# Altium PCB Thermostat_EEM.PCBDOC (part 9 of 10) (continued)
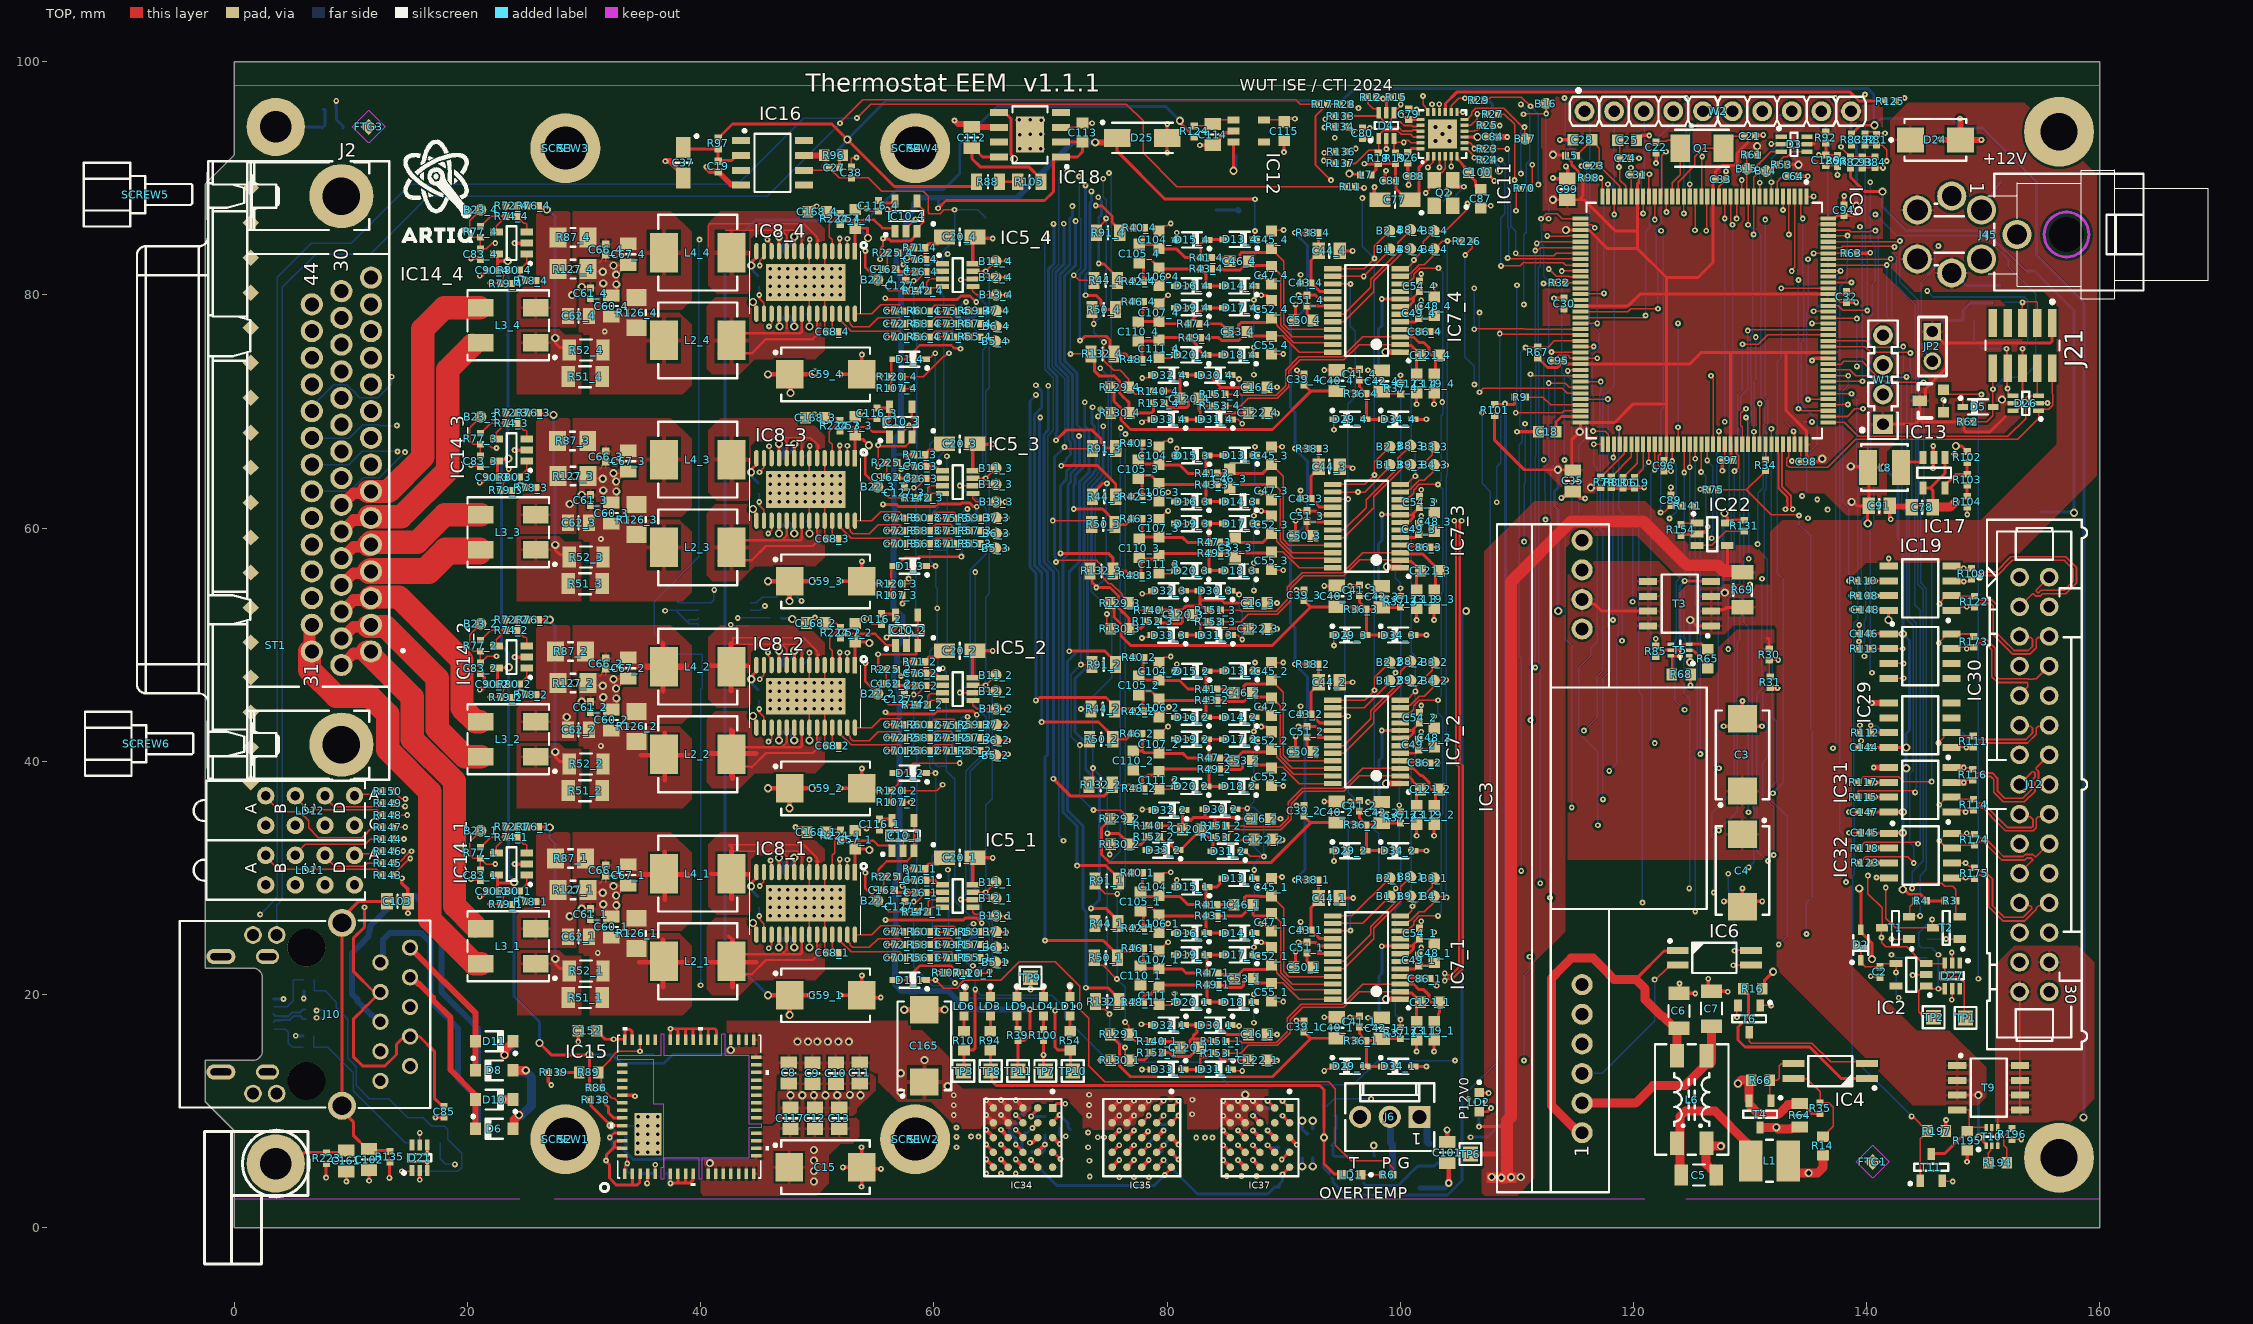
[diagram p0: TOP view]
## Nets (pads, with @x,y where several pads share a name; then routed paths per layer and width w, separated by ;. In a path a pad name is that pad's centre, name@x,y a point inside that pad or via, vN(x,y) a via of type N, cw(c..) or ccw(c..) an arc to the next point about the centre after c; other vN are vias at no path point) (continued)
  L2 w0.152: v1(139.686,70.239) 139.717,70.27 149.874,70.27 151.182,71.578 151.688,71.578 v1(152.09,71.98)
  BOT w0.152: R33.1@149.201,77.796 149.201,76.153 149.967,75.387 v1(152,75.387)
TDO: D26.6 IC9.133 J21.6 | length 27.9
  TOP w0.152: IC9.133@136.703,81.069 v1(138.7,81.069) ; D26.6@152.54,70.063 152.815,70.063 153.062,70.31 153.1,70.31 153.36,70.57 153.36,75.383 v1(153.364,75.387)
  L2 w0.152: v1(138.7,81.069) 143.028,81.069 143.747,80.35 v1(145.2,80.35)
  BOT w0.152: v1(145.2,80.35) 145.728,79.822 153.548,79.822 153.813,79.556 153.813,79.545 153.82,79.539 153.82,75.843 v1(153.364,75.387)
TEC0+: J2.31 J2.32 L3_1.4 | length 37.2
  TOP w1: J2.31@6.45,49.427 J2.32@6.45,51.717
  TOP w2: J2.31@6.45,49.427 6.45,47.868 8.733,45.586 11.619,45.586 13.152,44.052 13.152,41.021 16.769,37.404 16.769,26.471 20.59,22.65 L3_1.4@21.15,22.65
TEC0-: J2.1 J2.16 L3_1.3 | length 30.2
  TOP w1: J2.16@8.99,48.265 9.234,48.265 10.224,49.255 11.28,49.255 J2.1@11.4,49.375
  TOP w2: J2.1@11.4,49.375 15.279,45.496 15.279,41.902 18.896,38.285 18.896,27.604 L3_1.3@20.65,25.85
TEC1+: J2.2 J2.17 L3_2.4 | length 19.8
  TOP w1: J2.17@8.99,50.555 9.234,50.555 10.224,51.545 11.47,51.545 J2.2@11.5,51.575
  TOP w2: J2.2@11.5,51.575 12.95,51.575 17.406,47.119 17.406,42.783 19.789,40.4 L3_2.4@21.15,40.4
TEC1-: J2.3 J2.18 L3_2.3 | length 19.4
  TOP w1: J2.18@8.99,52.845 9.234,52.845 10.224,53.835 11.51,53.835 J2.3@11.65,53.975
  TOP w2: J2.3@11.65,53.975 11.773,54.098 14.102,54.098 19.533,48.667 19.533,44.572 20.704,43.4 L3_2.3@21.05,43.4
TEC2+: J2.4 J2.19 L3_3.4 | length 24.4
  TOP w1: J2.19@8.99,55.135 9.234,55.135 10.224,56.125 11.358,56.125 J2.4@11.53,56.297
  TOP w2: J2.4@11.53,56.297 11.693,56.46 16.368,56.46 18.108,58.2 L3_3.4@21.05,58.2 ; J2.4@11.55,56.225 16.7,56.225 18.375,57.9 ; 17.7,57.3 18.3,57.9 L3_3.4@21.05,57.9
TEC2-: J2.5 J2.20 L3_3.3 | length 13.7
  TOP w1: J2.20@8.99,57.425 9.234,57.425 10.224,58.415 11.358,58.415 J2.5@11.53,58.587
  TOP w2: J2.5@11.53,58.587 11.743,58.8 15.7,58.8 18.05,61.15 L3_3.3@21.15,61.15
TEC3+: J2.6 J2.21 L3_4.4 | length 23.1
  TOP w1: J2.21@8.99,59.715 9.234,59.715 10.224,60.705 11.28,60.705 J2.6@11.55,60.975
  TOP w2: J2.6@11.55,60.975 14.325,60.975 18.3,64.95 18.3,73.6 L3_4.4@20.4,75.7
TEC3-: J2.7 J2.22 L3_4.3 | length 25.5
  TOP w1: J2.22@8.99,62.005 9.234,62.005 10.224,62.995 11.345,62.995 J2.7@11.5,63.15
  TOP w2: J2.7@11.5,63.15 13.225,63.15 16.173,66.098 16.173,77.073 18,78.9 L3_4.3@21.05,78.9
TEC_U_meas0: B23_1.1 C83_1.2 IC9.29 R77_1.2 | length 162.2
  TOP w0.127: C83_1.2@21.111,30.695 R77_1.2@21.11,31.695 ; B23_1.1@21.127,34.06 20.194,33.127 20.194,31.98 20.479,31.695 R77_1.2@21.11,31.695 ; v1(22.385,31.195) 21.63,31.195 21.13,31.695 R77_1.2@21.11,31.695 ; IC9.29@120.828,88.444 120.828,86.998 v1(120.832,86.994)
  L2 w0.127: v1(22.385,31.195) 23.075,31.884 43.7,31.884 44.984,33.168 71.09,33.168 v1(71.115,33.194) ; v1(69.696,85.046) 78.608,85.046 80.344,86.783 111.691,86.783 112.028,87.12 116.435,87.12 116.661,87.346 120.48,87.346 v1(120.832,86.994)
  BOT w0.127: v1(69.696,85.046) 69.696,84.891 69.5,84.696 69.5,73.645 70.251,72.894 70.251,68.411 69.754,67.914 69.754,57.204 70.691,56.267 70.691,33.619 v1(71.115,33.194)
TEC_U_meas1: B23_2.1 C83_2.2 IC9.34 R77_2.2 | length 141.2
  TOP w0.127: C83_2.2@21.111,48.445 21.685,49.019 v1(22.485,49.019) ; C83_2.2@21.111,48.445 R77_2.2@21.11,49.445 20.479,49.445 20.194,49.73 20.194,50.877 B23_2.1@21.127,51.81 ; IC9.34@118.328,88.444 118.337,88.434 118.337,86.915 v1(118.347,86.906)
  L2 w0.127: v1(22.485,49.019) 22.96,49.494 34.672,49.494 35.213,50.034 52.488,50.034 52.913,49.609 55.014,49.609 55.574,50.169 58.552,50.169 59.404,51.021 80.488,51.021 80.602,50.907 101.686,50.907 102.059,51.279 102.681,51.279 103.907,52.505 104.361,52.505 104.397,52.541 105.265,52.541 ccw(c105.651,52.89) 105.651,52.369 113.406,52.369 ccw(c113.547,52.891) 113.527,52.351 cw(c113.524,52.224) 113.54,52.35 ccw(c113.549,52.42) 113.549,52.349 ccw(c113.549,52.89) 113.961,52.541 117.828,52.541 v1(118.245,52.124)
  BOT w0.127: v1(118.245,52.124) 118.245,60.003 117.399,60.849 117.399,66.032 117.364,66.067 117.364,71.251 118.347,72.234 v1(118.347,86.906)
TEC_U_meas2: B23_3.1 C83_3.2 IC9.37 R77_3.2 | length 122.1
  TOP w0.127: C83_3.2@21.111,66.195 R77_3.2@21.11,67.195 ; B23_3.1@21.127,69.56 20.194,68.627 20.194,67.48 20.479,67.195 R77_3.2@21.11,67.195 ; v1(22.485,66.877) 22.08,66.877 21.762,67.195 R77_3.2@21.11,67.195 ; v1(112.075,86.544) 112.516,86.985 113.479,86.985 113.907,86.556 115.441,86.556 IC9.37@115.453,86.569
  L2 w0.127: v1(22.485,66.877) 22.586,66.877 22.844,67.135 37.872,67.135 39.289,65.719 57.421,65.719 57.543,65.841 60.18,65.841 60.929,65.092 64.616,65.092 65.399,65.875 v1(112.302,65.875)
  BOT w0.127: v1(112.075,86.544) 112.075,85.46 112.148,85.387 112.148,84.348 112.302,84.194 112.302,81.592 112.727,81.167 112.727,75.48 112.302,75.055 v1(112.302,65.875)
TEC_U_meas3: B23_4.1 C83_4.2 IC9.40 R77_4.2 | length 100.7
  TOP w0.127: B23_4.1@21.127,87.31 20.194,86.377 20.194,85.23 20.479,84.945 R77_4.2@21.11,84.945 C83_4.2@21.111,83.945 21.621,83.945 22.121,84.445 v1(22.385,84.445) ; v1(112.612,85.069) 112.653,85.028 114.427,85.028 114.467,85.069 IC9.40@115.453,85.069
  L2 w0.127: v1(22.385,84.445) 23.413,84.445 24.532,83.326 52.323,83.326 52.577,83.072 54.768,83.072 55.286,83.591 58.067,83.591 58.294,83.363 61.002,83.071 61.367,83.071 66.089,83.363 66.238,83.513 90.121,83.513 91.732,85.124 112.557,85.124 v1(112.612,85.069)
TXD: IC9.136 W1.3 | length 14.3
  TOP w0.127: IC9.136@136.703,82.569 141.724,82.569 v1(141.731,82.575)
  BOT w0.127: W1.3@141.4,74 142.441,75.041 142.441,77.419 141.731,78.128 v1(141.731,82.575)
U_meas_P3V3: C126.1 IC9.19 R92.1 R93.1 | length 16.2
  TOP w0.127: IC9.19@125.828,88.444 125.867,88.483 125.867,91.833 v1(125.906,91.872)
  TOP w0.254: v1(135.887,92) C126.1@136.5,92 ; R92.1@136.5,93.03 C126.1@136.5,92 ; R93.1@137.5,91.97 137.485,91.985 136.515,91.985 C126.1@136.5,92
  L2 w0.127: v1(125.906,91.872) 129.947,91.872 130.059,91.76 135.546,91.76 135.786,92 v1(135.887,92)
U_meas_P5V0: C93.1 IC9.26 R82.2 R84.1 | length 22.8
  TOP w0.127: IC9.26@122.328,88.444 122.436,88.552 122.436,91.933 v1(122.79,92.287) ; v1(137.8,92.714) 137.8,92.635 138.597,91.838 139.597,91.838 C93.1@139.617,91.818 139.657,91.858 R84.1@140.723,91.858
  L2 w0.127: v1(122.79,92.287) 122.816,92.312 129.866,92.312 130.164,92.014 134.03,92.014 134.73,92.714 v1(137.8,92.714)
U_meas_P12V0: C92.1 IC9.28 R81.1 R83.1 | length 27.5
  TOP w0.127: IC9.28@121.328,88.444 121.328,90.318 v1(121.365,90.355) ; R83.1@138.7,92.864 138.72,92.864 139.166,93.31 139.438,93.31 139.904,92.844 R81.1@140.845,92.844 141.345,92.844 141.731,92.459 v1(141.731,91.491)
  L2 w0.127: v1(121.365,90.355) 126.193,90.355 126.384,90.164 128.981,90.164 129.451,90.634 134.377,90.634 135.233,91.491 v1(141.731,91.491)
USB_ID: C108.2 D21.1 FB2.1 IC9.102 | length 209.9
  TOP w0.127: v1(14.378,4.842) 15.192,4.842 D21.1@15.25,4.9 ; IC9.102@131.828,67.194 v1(131.828,68.534)
  L2 w0.127: v1(14.378,4.842) 19.33,4.842 20.556,6.067 20.556,11.919 20.302,12.173 20.302,14.985 20.556,15.239 21.581,16.265 21.785,16.265 22.335,16.815 31.096,16.815 31.925,17.644 45.207,17.644 45.905,16.946 78.66,16.946 79.97,18.256 93.056,18.256 93.31,18.51 107.228,18.51 113.152,24.435 132.385,24.435 132.46,24.36 v1(132.46,24.299)
  BOT w0.127: C108.2@6.861,20.318 6.871,20.328 FB2.1@6.871,21.268 ; C108.2@6.868,20.311 7.806,20.311 8.768,19.349 8.768,18.86 9.739,17.888 9.739,14.537 10.473,13.803 10.473,12.206 11.599,11.08 13.27,11.08 14.9,9.45 16.192,9.45 16.955,8.687 18.037,8.687 18.316,8.408 18.316,7.58 19.514,6.382 19.514,5.169 19.187,4.842 v1(14.378,4.842) ; v1(131.828,68.534) 131.828,49.797 131.908,49.717 131.908,43.764 132.245,43.427 132.245,38.245 131.517,37.518 131.517,36.945 133.183,35.28 133.183,25.022 v1(132.46,24.299)
USB_N: D21.3 IC9.103 L9.3 | length 196.2
  TOP w0.18: D21.3@16.55,4.9 16.553,4.903 16.553,5.692 v1(16.556,5.695) ; v1(103.818,21.195) 103.905,21.195 104.065,21.355 104.483,21.355 105.363,22.234 105.363,39.633 105.104,39.891 105.104,60.485 v1(105.264,60.645) ; IC9.103@132.328,67.194 132.413,67.109 132.413,66.377 132.424,66.365 132.424,63.448 133.194,62.678 133.194,62.253 133.198,62.25 133.198,61.868 133.038,61.708 v1(133.038,61.621)
  L2 w0.127: v1(7.065,18.009) 7.161,18.009 7.326,18.174 7.431,18.174 7.64,18.174 7.856,17.958 7.856,14.303 10.689,11.47 11.226,10.933 11.355,10.804 11.355,7.717 13.212,5.86 16.105,5.86 16.199,5.766 16.485,5.766 v1(16.556,5.695) 16.652,5.695 16.817,5.86 17.424,5.86 18.153,6.589 18.153,8.005 18.153,15.968 19.86,17.675 30.077,17.675 31.414,19.012 51.466,19.012 51.471,19.006 56.367,19.006 56.895,19.534 61.313,19.534 61.822,19.025 67.258,19.025 67.418,19.185 81.528,19.185 81.738,19.395 84.529,19.395 84.662,19.263 88.462,19.263 89.035,19.836 97.698,19.836 99.222,21.36 103.653,21.36 v1(103.818,21.195) ; v1(105.264,60.645) 105.264,60.74 105.099,60.905 105.099,61.036 105.238,61.175 110.297,61.175 110.594,61.472 121.359,61.472 121.786,61.898 131.363,61.898 131.583,62.118 133.128,62.118 133.203,62.044 133.203,61.882 133.038,61.717 v1(133.038,61.621)
  BOT w0.18: v1(7.065,18.009) 7.109,17.966 7.782,17.966 L9.3@7.825,17.922
USB_P: D21.4 IC9.104 L9.2 | length 196.7
  TOP w0.18: D21.4@16.55,7.1 16.553,7.097 16.553,6.325 v1(16.556,6.322) ; v1(103.818,21.822) 103.905,21.822 104.065,21.662 104.356,21.662 105.056,22.361 105.056,39.505 104.797,39.764 104.797,60.485 v1(104.637,60.645) ; IC9.104@132.828,67.194 132.743,67.109 132.743,66.377 132.731,66.365 132.731,63.575 133.501,62.805 133.501,62.38 133.505,62.377 133.505,61.868 133.665,61.708 v1(133.665,61.621)
  L2 w0.127: v1(7.065,18.636) 7.161,18.636 7.326,18.471 7.554,18.471 7.763,18.471 8.153,18.081 8.153,14.426 11.528,11.051 11.652,10.927 11.652,10.747 11.652,7.84 13.335,6.157 16.105,6.157 16.199,6.251 16.485,6.251 v1(16.556,6.322) 16.652,6.322 16.817,6.157 17.301,6.157 17.856,6.712 17.856,8.128 17.856,16.091 19.737,17.972 29.954,17.972 31.291,19.309 51.589,19.309 51.594,19.303 56.244,19.303 56.772,19.831 61.437,19.831 61.945,19.322 67.135,19.322 67.295,19.482 81.405,19.482 81.615,19.692 84.652,19.692 84.785,19.56 88.339,19.56 88.912,20.133 97.575,20.133 99.099,21.656 103.653,21.656 v1(103.818,21.822) ; v1(104.637,60.645) 104.637,60.74 104.802,60.905 104.802,61.159 105.115,61.472 110.174,61.472 110.471,61.769 121.236,61.769 121.663,62.195 131.24,62.195 131.46,62.415 133.251,62.415 133.5,62.167 133.5,61.882 133.665,61.717 v1(133.665,61.621)
  BOT w0.18: v1(7.065,18.636) 7.109,18.679 7.782,18.679 L9.2@7.825,18.722
USB_VBUS: R34.2 R73.1 R75.1 | length 179.6
  TOP w0.127: R75.1@127.298,63.294 129.693,63.294 ; R34.2@131.328,64.929 131.308,64.929 131.081,64.702 131.081,64.682 129.693,63.294 ; v1(134.191,61.094) 134.125,61.16 131.827,61.16 129.693,63.294
  L2 w0.127: v1(18.923,5.436) 18.923,12.823 19.928,13.828 19.928,15.54 21.456,17.069 30.991,17.069 31.87,17.948 45.996,17.948 46.744,17.2 76.926,17.2 78.236,18.51 92.95,18.51 93.415,18.975 104.917,18.975 111.139,25.197 v1(134.836,25.197)
  BOT w0.127: R73.1@17.675,7.275 17.675,5.918 18.157,5.436 v1(18.923,5.436) ; v1(134.191,61.094) 134.191,60.331 135.185,59.337 135.185,42.756 135.33,42.612 135.33,28.353 134.836,27.858 v1(134.836,25.197)
USBJ_N: J9.2 L9.4 | length 3.1
  BOT w0.18: J9.2@3.376,17.662 3.511,17.797 4.018,17.797 4.054,17.833 4.773,17.833 5.109,18.169 5.66,18.169 5.765,18.063 5.765,18.032 5.875,17.922 L9.4@6.125,17.922
USBJ_P: J9.3 L9.1 | length 3.1
  BOT w0.18: J9.3@3.376,18.312 3.511,18.177 4.018,18.177 4.054,18.14 4.646,18.14 4.982,18.476 5.66,18.476 5.765,18.581 5.765,18.612 5.875,18.722 L9.1@6.125,18.722
Vref0: IC9.13 IC10_1.3 IC10_1.4 R79_1.1 R80_1.1 | length 181.3
  TOP w0.127: v3(22.009,27.758) 22.811,27.758 R79_1.1@22.824,27.745 ; R79_1.1@22.802,27.735 22.814,27.735 R79_1.1@22.824,27.745 ; R80_1.1@23.54,28.882 23.54,28.862 23.06,28.382 23.06,27.981 R79_1.1@22.824,27.745 ; IC9.13@128.828,88.444 128.839,88.432 128.839,86.561 v1(128.85,86.55)
  TOP w0.203: v1(55.25,30.116) 55.25,30.734 55.953,31.437 57.671,31.437 58.319,32.085 IC10_1.3@58.319,32.335 IC10_1.4@58.319,34.935
  L2 w0.127: v3(22.009,27.758) 27.324,27.758 27.737,28.171 29.554,28.171 31.275,29.892 55.026,29.892 v1(55.25,30.116) 57.418,30.116 57.562,30.26 73.386,30.26 74.252,31.125 91.677,31.125 91.799,31.003 109.224,31.003 110.196,31.975 v1(132.025,31.975) ; v1(128.85,86.55) 128.935,86.465 v1(131.3,86.465)
  BOT w0.127: v1(131.3,86.465) 131.3,71.287 131.522,71.065 131.522,68.851 131.387,68.716 131.387,63.362 131.201,63.176 131.201,57.597 131.461,57.337 131.461,46.273 131.088,45.9 131.088,43.582 131.467,43.202 131.467,40.298 131.088,39.919 131.088,37.015 132.025,36.078 v1(132.025,31.975)
Vref0+: J2.37 R50_1.2 R91_1.2 R129_1.1 R140_1.1 | length 131.9
  TOP w0.127: R91_1.2@73.837,29.745 73.837,29.495 74.693,28.639 v1(75.726,28.639) ; R50_1.2@73.955,22.707 74.166,22.496 74.535,22.496 v1(75.7,21.331) ; v1(76.407,17.64) 76.727,17.32 R129_1.1@76.727,16.581 ; R129_1.1@76.702,16.556 77.277,15.981 R140_1.1@78.669,15.981
  L2 w0.127: v1(14.643,66.522) 16.662,68.54 48.918,68.54 49.096,68.362 72.599,68.362 73.213,67.749 76.094,67.749 v1(76.427,68.082)
  BOT w0.127: J2.37@6.45,63.167 6.463,63.155 9.905,63.155 11.067,64.317 12.438,64.317 v1(14.643,66.522) ; v1(76.407,17.64) 76.407,20.624 v1(75.7,21.331) 75.713,21.343 75.713,28.626 76.427,29.341 v1(76.427,68.082)
Vref0-: J2.38 R44_1.2 R130_1.1 R132_1.2 R152_1.1 | length 132.1
  TOP w0.127: R132_1.2@73.866,19.395 73.866,19.145 74.277,18.734 74.655,18.734 v1(75.065,18.324) ; R44_1.2@74.01,26.034 v1(74.866,26.034) ; v1(76.407,15.456) 76.407,14.725 R130_1.1@76.752,14.381
  TOP w0.254: R130_1.1@76.752,14.381 78.039,14.381 78.669,15.011 R152_1.1@78.669,15.031
  L2 w0.127: v1(13.996,66.581) 16.209,68.794 54.289,68.794 54.741,69.246 58.063,69.246 58.515,68.794 62.231,68.794 62.409,68.616 72.704,68.616 73.131,68.189 75.629,68.189 v1(76.025,68.585)
  BOT w0.127: J2.38@6.463,65.445 9.814,65.445 10.967,66.598 13.979,66.598 v1(13.996,66.581) ; v1(76.025,68.585) 75.987,68.547 75.987,32.294 74.866,31.172 v1(74.866,26.034) 74.866,18.624 75.065,18.425 75.065,16.798 v1(76.407,15.456)
Vref1: IC9.14 IC10_2.3 IC10_2.4 R79_2.1 R80_2.1 | length 157
  TOP w0.127: v3(22.009,45.508) 22.811,45.508 R79_2.1@22.824,45.495 ; R79_2.1@22.802,45.485 22.814,45.485 R79_2.1@22.824,45.495 ; R80_2.1@23.54,46.632 23.54,46.612 23.06,46.132 23.06,45.731 R79_2.1@22.824,45.495 ; IC9.14@128.328,88.444 128.328,86.298 128.5,86.125 v1(128.5,86.025)
  TOP w0.203: v1(55.218,47.988) v1(55.218,49.19) 55.238,49.17 58.5,49.17 58.5,49.829 IC10_2.3@58.619,49.949 IC10_2.4@58.619,52.549
  L2 w0.127: v3(22.009,45.508) 29.076,45.508 31.21,47.642 54.871,47.642 v1(55.218,47.988) ; v1(55.218,49.19) 55.943,49.915 86.98,49.915 87.392,49.503 128.003,49.503 v1(128.125,49.625)
  BOT w0.127: v1(128.125,49.625) 128.125,53.985 128.368,54.228 128.368,61.701 128.225,61.845 128.225,67.787 128.5,68.063 v1(128.5,86.025)
Vref1+: J2.39 R50_2.2 R91_2.2 R129_2.1 R140_2.1 | length 112.8
  TOP w0.127: v1(72.525,41.394) 72.933,41.394 73.345,41.806 R50_2.2@73.345,41.898 ; v1(72.607,48.299) R91_2.2@73.764,48.299 ; v1(73.687,35.824) 76.034,35.824 76.727,35.131 76.727,35.031 77.277,34.481 78.384,34.481 R140_2.1@78.404,34.501
  L2 w0.127: v1(13.945,68.8) 13.945,68.86 15.571,70.486 15.648,70.563 15.722,70.637 30.306,70.637 30.32,70.623 39.396,70.623 39.731,70.287 48.241,70.287 48.576,70.623 57.213,70.623 57.477,70.359 58.387,70.359 58.762,69.984 69.261,69.984 69.319,69.925 73.741,69.925 v1(74.079,69.588)
  BOT w0.127: J2.39@6.45,67.747 6.463,67.735 9.85,67.735 11.003,68.888 12.38,68.888 12.468,68.8 v1(13.945,68.8) ; v1(73.687,35.824) 72.525,36.986 v1(72.525,41.394) 71.785,42.134 71.785,47.477 v1(72.607,48.299) 72.607,49.282 72.853,49.528 72.853,56.509 73.202,56.858 73.202,63.716 74.02,64.534 74.02,64.667 74.205,64.852 74.205,68.204 74.079,68.329 v1(74.079,69.588)
Vref1-: J2.40 R44_2.2 R130_2.1 R132_2.2 R152_2.1 | length 121.3
  TOP w0.127: v1(72.607,44.499) 73.277,44.499 R44_2.2@73.453,44.675 ; R132_2.2@73.419,38.078 73.642,38.301 v1(73.642,39.421)
  TOP w0.254: v1(74.88,33.823) 75.859,33.823 76.752,32.931 R130_2.1@76.752,32.881 77.771,32.881 78.404,33.513 R152_2.1@78.404,33.533
  L2 w0.127: v1(13.5,72.994) 14.412,73.906 73.972,73.906 74.167,73.711 v1(74.268,73.711)
  BOT w0.127: J2.40@6.45,70.037 6.45,70.238 8.518,72.306 9.656,72.306 9.921,72.041 cw(c9.19,71.165) 10.066,71.896 10.784,71.178 12.29,71.178 13.5,72.388 v1(13.5,72.994) ; v1(74.268,73.711) 74.963,73.016 74.963,64.633 74.673,64.343 74.673,64.289 73.837,63.453 73.837,56.595 73.488,56.246 73.488,54.607 75.278,52.817 75.278,47.17 v1(72.607,44.499) 72.989,44.117 73.331,44.117 73.642,43.806 v1(73.642,39.421) 74.88,38.184 v1(74.88,33.823)
Vref2: IC9.15 IC10_3.3 IC10_3.4 R79_3.1 R80_3.1 | length 135.6
  TOP w0.127: R79_3.1@22.802,63.235 22.814,63.235 R79_3.1@22.824,63.245 ; R79_3.1@22.811,63.258 R79_3.1@22.824,63.245 ; v1(23.54,65.065) R80_3.1@23.54,64.382 23.54,64.362 23.06,63.882 23.06,63.481 R79_3.1@22.824,63.245 ; v1(55.218,65.278) v1(55.218,67.12) ; v1(127.828,86.554) IC9.15@127.828,88.444
  TOP w0.203: v1(55.218,67.12) 55.298,67.12 55.385,67.033 57.584,67.033 58.113,67.562 IC10_3.3@58.113,67.812 58.311,68.01 58.311,68.555 58.362,68.605 58.362,69.16 58.113,69.408 IC10_3.4@58.113,70.412
  L2 w0.127: v1(23.54,65.065) 23.581,65.065 23.943,65.427 39.455,65.427 39.548,65.334 55.161,65.334 v1(55.218,65.278) ; v1(55.218,67.12) 64.513,67.12 65.452,66.181 79.564,66.181 81.11,67.728 113.688,67.728 115.081,69.121 v1(127.824,69.121)
  BOT w0.127: v1(127.824,69.121) 127.826,69.123 127.826,86.552 v1(127.828,86.554)
Vref2+: J2.41 R50_3.2 R91_3.2 R129_3.1 R140_3.1 | length 130.8
  TOP w0.127: v1(70.195,60.649) 73.219,60.649 R50_3.2@73.539,60.33 ; v1(70.48,57.101) 70.581,57.101 70.735,57.255 73.93,57.255 74.469,56.715 74.469,55.777 75.008,55.237 75.229,55.237 76.149,54.317 76.149,54.209 76.727,53.631 76.727,53.531 77.277,52.981 R140_3.1@78.419,52.981 ; v1@71.422,66.834 R91_3.2@73.601,66.834
  L2 w0.127: J2.41@6.65,72.327 6.526,72.452 5.584,72.452 5.056,72.98 5.056,79.775 14.826,89.545 15.52,89.545 16.211,90.237 35.152,90.237 35.335,90.421 35.533,90.421 35.652,90.54 45.358,90.54 45.541,90.723 55.22,90.723 55.401,90.542 63.508,90.542 63.629,90.421 71.188,90.421 71.374,90.607 v1(71.449,90.607)
  BOT w0.127: v1@71.234,66.949 71.206,66.976 71.206,72.837 70.135,73.908 70.135,82.074 70.704,82.642 70.704,89.862 v1(71.449,90.607)
  BOT w0.254: v1(70.48,57.101) 70.433,57.148 70.433,57.558 70.358,57.634 70.358,66.101 v1(71.206,66.949)
Vref2-: J2.42 R44_3.2 R130_3.1 R132_3.2 R152_3.1 | length 127.6
  TOP w0.127: 73.576,55.589 R132_3.2@73.576,56.339
  TOP w0.254: 73.576,55.589 73.576,55.339 73.918,54.996 73.918,54.92 75.097,54.92 75.831,54.186 75.831,53.167 76.284,52.714 76.299,52.714 76.752,52.262 R130_3.1@76.752,51.381 77.694,51.381 78.324,52.011 R152_3.1@78.324,52.031 ; R44_3.2@73.601,62.693 73.601,62.943 74.513,63.855 74.823,63.855 v1(74.843,63.836)
  L2 w0.127: J2.42@6.65,74.617 6.465,74.803 5.584,74.803 5.31,75.077 5.31,79.67 14.922,89.282 15.616,89.282 16.317,89.983 35.454,89.983 35.757,90.286 45.463,90.286 45.646,90.469 55.114,90.469 55.295,90.288 63.403,90.288 63.524,90.167 71.631,90.167 72.06,90.595 73.425,90.595 73.555,90.465 v1(75.021,90.465)
  BOT w0.127: v1(73.928,54.92) 74.776,55.768 v1@74.776,63.836 ; v1(74.843,63.836) v1@74.776,63.836 ; v1(75.021,90.465) 75.021,90.364 75.217,90.169 75.217,64.343 74.776,63.902 v1@74.776,63.836
Vref3: IC9.18 IC10_4.3 IC10_4.4 R79_4.1 R80_4.1 | length 120.1
  TOP w0.127: v3(22.009,81.008) 22.811,81.008 R79_4.1@22.824,80.995 ; R79_4.1@22.802,80.985 22.814,80.985 R79_4.1@22.824,80.995 ; R80_4.1@23.54,82.132 23.54,82.112 23.06,81.632 23.06,81.231 R79_4.1@22.824,80.995 ; v1(126.245,85.509) 126.286,85.55 126.286,88.402 IC9.18@126.328,88.444
  TOP w0.203: v1(55.391,83.072) 55.391,83.957 55.643,84.209 v1(55.643,84.845) ; IC10_4.3@58.575,85.472 58.575,85.722 59.092,86.239 59.092,87.305 58.575,87.822 IC10_4.4@58.575,88.072
  TOP w0.254: v1(55.643,84.845) 55.69,84.798 56.14,84.798 56.289,84.649 58.011,84.649 58.19,84.828 58.19,84.837 58.575,85.222 IC10_4.3@58.575,85.472
  L2 w0.127: v3(22.009,81.008) 29.347,81.008 31.411,83.072 52.218,83.072 52.472,82.818 55.036,82.818 55.29,83.072 v1(55.391,83.072) ; v1(55.643,84.845) 57.163,84.845 57.322,85.004 63.916,85.004 64.77,84.15 90.399,84.15 91.758,85.509 113.498,85.509 113.979,85.028 125.764,85.028 v1(126.245,85.509)
Vref3+: J2.43 R50_4.2 R91_4.2 R129_4.1 R140_4.1 | length 101.5
  TOP w0.127: R50_4.2@73.581,78.744 73.713,78.612 v1(73.713,77.524) ; 73.781,77.987 R50_4.2@73.781,78.744 ; R91_4.2@73.941,85.334 73.941,85.584 74.705,86.348 74.705,86.492 v1(74.776,86.563) ; v1(74.581,75.957) 74.581,74.359 75.41,73.529 75.969,73.529 76.727,72.771 76.727,72.031 77.277,71.481 78.514,71.481 78.769,71.736 R140_4.1@78.769,71.756
  L2 w0.127: J2.43@6.65,76.907 7.119,76.907 7.962,77.751 7.962,80.91 16.527,89.475 35.801,89.475 36.104,89.778 45.673,89.778 45.856,89.961 54.904,89.961 55.087,89.778 59.395,89.778 59.397,89.78 63.192,89.78 63.313,89.659 72.585,89.659 72.896,89.969 v1(74.533,89.969)
  BOT w0.127: v1(74.533,89.969) 74.533,88.39 74.776,88.146 74.776,86.7 v1@74.664,86.588 ; v1(74.581,75.957) 73.713,76.825 v1(73.713,77.524) 74.776,78.588 v1(74.776,86.563)
Vref3-: J2.44 R44_4.2 R130_4.1 R132_4.2 R152_4.1 | length 100.6
  TOP w0.127: v1(71.719,74.944) R132_4.2@73.463,74.946 ; v1(72.001,81.7) 72.453,81.247 R44_4.2@73.945,81.247
  TOP w0.254: R132_4.2@73.463,74.946 73.764,74.645 73.764,73.502 74.232,73.035 75.483,73.035 75.913,72.604 75.913,71.586 76.325,71.174 76.34,71.174 76.752,70.762 R130_4.1@76.752,69.881 78.667,69.881 78.822,70.036 R152_4.1@78.822,70.727
  L2 w0.127: J2.44@6.45,79.197 7.596,80.343 7.596,80.903 16.422,89.729 35.56,89.729 35.863,90.032 45.568,90.032 45.751,90.215 55.009,90.215 55.192,90.032 59.29,90.032 59.292,90.034 63.298,90.034 63.419,89.913 71.736,89.913 71.978,90.155 v1(72.458,90.155)
  BOT w0.127: v1(71.719,74.944) 71.719,81.359 72.001,81.641 v1(72.001,81.7) 72.6,82.3 72.6,86.517 72.458,86.659 v1(72.458,90.155)
VREF_5V0_1: C39_1.1 C40_1.1 R36_1.1 R129_1.2 | length 25.9
  TOP w0.254: R129_1.2@75.127,16.581 75.127,16.531 75.903,15.755 75.903,13.92 76.869,12.954 89.047,12.954 92.29,16.197 92.29,16.256 ; C39_1.1@91.74,16.806 92.29,16.256 ; R36_1.1@96.15,16.045 96.15,16.065 95.96,16.256 92.29,16.256
VREF_5V0_2: C39_2.1 C40_2.1 R36_2.1 R129_2.2 | length 27.8
  TOP w0.254: R129_2.2@75.127,35.081 75.127,35.031 74.376,34.279 74.376,32.023 75.059,31.34 88.933,31.34 92.29,34.697 92.29,34.756 ; C39_2.1@91.74,35.306 92.29,34.756 ; R36_2.1@96.15,34.545 96.15,34.565 95.96,34.756 92.29,34.756
VREF_5V0_3: C39_3.1 C40_3.1 R36_3.1 R129_3.2 | length 25.9
  TOP w0.254: R129_3.2@75.111,53.597 75.45,53.258 75.45,52.391 76.048,51.794 76.048,50.775 76.869,49.954 89.047,49.954 92.29,53.197 92.29,53.256 ; C39_3.1@91.74,53.806 92.29,53.256 ; R36_3.1@96.15,53.045 96.15,53.065 95.96,53.256 92.29,53.256
VREF_5V0_4: C39_4.1 C40_4.1 R36_4.1 R129_4.2 | length 25.9
  TOP w0.254: R129_4.2@75.127,72.081 75.45,71.758 75.45,70.891 76.048,70.294 76.048,69.275 76.869,68.454 89.047,68.454 92.29,71.697 92.29,71.756 ; C39_4.1@91.74,72.306 92.29,71.756 ; R36_4.1@96.15,71.545 96.15,71.565 95.96,71.756 92.29,71.756
Vrefm_1: IC10_1.1 R224_1.1 | length 4.9
  TOP w0.203: R224_1.1@52.002,33.168 52.028,33.194 54.817,33.194 55.228,32.783 56.22,32.783 56.419,32.584 IC10_1.1@56.419,32.335
Vrefm_2: IC10_2.1 R224_2.1 | length 5.3
  TOP w0.203: R224_2.1@52.003,50.555 52.023,50.555 52.211,50.743 52.211,50.763 52.392,50.944 54.962,50.944 55.957,49.949 IC10_2.1@56.719,49.949
Vrefm_3: IC10_3.1 R224_3.1 | length 4.9
  TOP w0.203: R224_3.1@51.961,68.305 51.981,68.305 52.355,68.679 54.348,68.679 54.766,68.26 56.015,68.26 56.213,68.062 IC10_3.1@56.213,67.812
Vrefm_4: IC10_4.1 R224_4.1 | length 5.5
  TOP w0.203: R224_4.1@51.982,86.055 52.002,86.055 52.19,86.243 52.19,86.263 52.36,86.433 53.25,86.433 53.986,86.438 54.88,86.438 55.582,85.736 56.477,85.736 56.675,85.538 IC10_4.1@56.675,85.288
pads on no net: D3.1 D3.6 D21.6 D27.1 D27.6 FTG1.1 FTG2.1 FTG3.1 FTG4.1 IC2.5 IC3.4 IC3.5 IC3.6 IC3.9 IC7_1.9 IC7_2.9 IC7_3.9 IC7_4.9 IC9.49 IC9.115 IC12.4 IC15.46 IC15.47 IC15.52 IC15.53 IC15.54 IC15.55 IC15.58 IC16.1 IC16.3 IC16.5 IC16.8 IC18.4 IC18.7 IC29.3 IC29.4 IC29.6 IC30.5 IC30.6 IC34.A5 IC36.3 IC36.5 IC36.6 IC37.B2 IC37.B5 IC39.3 IC39.4 IC39.6 J4.2 J5.5 J10.MH1 J10.MH2 J21.7 J21.9 S1. S1.1 S2. S2.1 S3. S3.1 S4. S4.1

## Polygon pours and split planes (outlines as drawn)
P12V0 on TOP "O8_Vs2" (solid, remove dead copper, pour order 55): 107.187,5.182 107.187,58.007 111.511,62.332 120.997,62.332 124.798,58.531 130.395,58.531 131.205,57.721 131.205,55.842 130.844,55.481 124.168,55.481 120.285,59.364 115.205,59.364 114.137,58.296 114.137,25.382 111.511,22.757 111.511,4.249 109.763,2.5 107.525,2.5 107,3.025 107,4.995
P3V3 on TOP "O8_Vs2" (solid, remove dead copper, pour order 53): 112.223,92.55 112.223,65.094 114.34,62.977 136.37,62.977 138.244,61.102 141.197,61.102 141.717,61.623 141.717,66.56 143.036,67.879 151.55,67.879 153.364,69.693 153.364,77.655 151.45,79.569 143.748,79.569 141.366,81.951 141.366,96.426 140.159,97.632 114.046,97.632 112.075,95.661 112.075,92.53
P5V0 on TOP "TOP-P5V0" (solid, remove dead copper, pour order 81): 72.774,8.431 78.719,8.414 78.719,10.641 81.696,10.641 81.735,10.606 81.735,8.435 88.665,8.414 88.665,11.877 68.375,11.877 68.339,11.912 62.457,11.912 61.313,13.057 61.313,14.644 59.012,16.946 58,16.946 58,17.75 42.25,17.75 42.25,14.865 44.298,14.865 44.298,8.9 46.15,8.9 46.5,9.25 46.5,13.025 46.725,13.25 55.25,13.25 55.25,12.5 56.941,10.809 59.729,10.809 62.045,8.493 68.339,8.474 68.339,10.641 71.749,10.641 72.774,9.563
P12V0_IN on TOP "TOP-P12V0_IN" (solid, remove dead copper, pour order 51): 123.876,51.393 124.383,50.886 127.81,50.886 128.586,51.662 131.99,51.662 132.025,51.697 132.298,51.424 132.298,22.163 134.263,20.198 143.961,10.5 149.552,10.5 150.249,11.197 150.249,13.757 147.103,16.904 144.299,16.904 138.723,22.48 138.723,55.798 139.947,57.023 152.275,57.023 160,64.748 160,90.036 153.536,96.5 143.539,96.5 142.029,94.989 142.029,82.361 144.121,80.269 155.2,80.269 156.303,79.166 156.303,67.209 149.784,60.691 132.744,60.691 131.734,59.68 131.734,55.164 124.637,55.207 123.876,54.447
P12V0_POE on TOP "O8_Vs2" (solid, remove dead copper, pour order 48): 132.054,51.308 132.079,31.572 114.364,31.572 114.364,56 115.514,57.15 122.154,57.15 123.21,56.094 123.21,48.792 124.875,47.127 126.665,47.127 127.328,47.789 127.328,49.768 128.868,51.308
PN_3 on TOP "O8_Vs2" (solid, remove dead copper, pour order 30): 29.373,59.504 29.373,64.57 28.841,65.102 28.841,69.251 28.648,69.444 26.153,69.444 25.885,69.176 25.885,63.966 24.242,62.322 24.242,59.439
PN_4 on TOP "O8_Vs2" (solid, remove dead copper, pour order 23): 29.373,77.254 29.373,82.32 28.841,82.852 28.841,87.001 28.648,87.194 26.153,87.194 25.885,86.926 25.885,81.716 24.242,80.072 24.242,77.189
SW1_3 on TOP "O8_Vs2" (solid, remove dead copper, pour order 26): 43.971,62.07 44.298,61.744 44.298,61.563 44.378,61.644 49.982,61.644 50.632,60.994 50.632,57.529 49.847,56.744 44.642,56.744 43.342,55.444 41.004,55.444 40.504,55.944 40.504,61.302 41.272,62.07
SW2_3 on TOP "O8_Vs2" (solid, remove dead copper, pour order 25): 43.986,62.355 44.298,62.667 44.298,67.067 44.675,67.444 46.425,67.444 46.732,67.137 46.732,64.93 50.539,64.93 50.632,64.837 50.632,67.944 49.132,69.444 41.692,69.444 40.631,68.383 40.631,63.094 41.37,62.355
SW2_1 on TOP "O8_Vs2" (solid, remove dead copper, pour order 39): 43.986,26.855 44.298,27.167 44.298,31.567 44.675,31.944 46.425,31.944 46.732,31.637 46.732,29.43 50.539,29.43 50.632,29.337 50.632,32.444 49.132,33.944 41.692,33.944 40.631,32.883 40.631,27.594 41.37,26.855